# Altium PCB ES_Class6C_2L.PcbDoc (part 1 of 2) (continued)
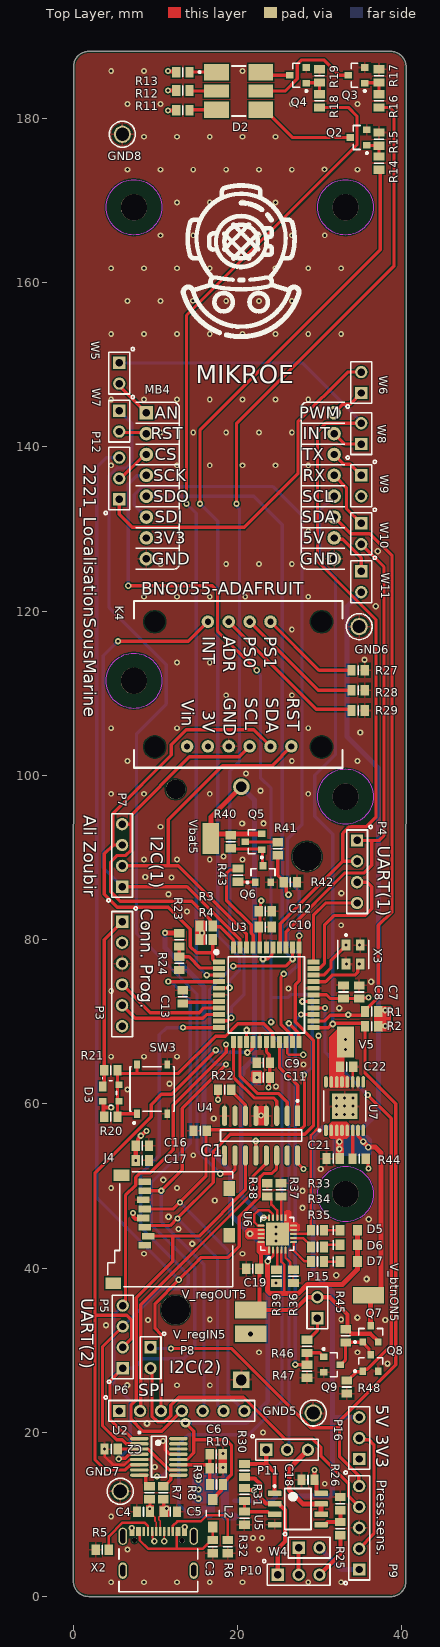
[diagram p0: Top Layer view]
## Footprints (in the part's own frame and the unit in brackets; to place one, negate y for a bottom-side part, rotate by r counter-clockwise, add the part's x,y. Pads: shape width x height; smd on the part's side, far side on the other; paste and mask are expansions set on the pad) (continued)
  silkscreen extent -3.07,-2.55 1.85,3.17, body extent -3.19,-2.55 3.19,2.55, height 1.1
uSD-WE-693071010811 [mm] "Micro SD Card Connector Push & Push - with Card Detection - 8 Pins"
  rect 0.8x1.5 smd: 1(1.94,-3.1) 2(0.84,-2.7) 3(-0.26,-3.1) 4(-1.36,-3.3) 5(-2.46,-3.1) 6(-3.56,-3.3) 7(-4.66,-3.1) 8(-5.76,-3.1)
  rect 1.4x1.9 smd: 9(-6.55,-5.95) 9(6.6,-6.95)
  rect 1.8x1.4 smd: 10(-4.95,7.2) 10(0.75,7.2)
  silkscreen extent -7,-7.6 7,7.6, body extent -7,-10.8 7,7.6, height 2
WL-SMCW_0805_150080xx75000 [mm] "SMD Mono-color Chip LED, body 2.0x1.25mm"
  rect 1.1x1.3 smd: 1(-1.05,0) 2(1.05,0)
  silkscreen extent -2,-0.6 -1.8,0.6, body extent -1,-0.63 1,0.62, height 0.7

## Part data
C1 C2 C7 C8 C9 C10 C11 C12 C13 C16 C17 C18 C23 C24: library part C, PCB Footprint=RC0805, SDTSourceLibName=C:\WINDOWS\TEMP\DA.LIB
C3 C4 C5 C6: library part Cap, "Capacitor", LatestRevisionDate=17-Jul-2002, LatestRevisionNote="Re-released for DXP Platform.", PackageDescription="Radial Cap, Thru-Hole; 2 Leads; 0.3 in Pin Spacing", PackageReference=RAD-0.3, Published=8-Jun-2000, Publisher="Altium Limited"
C14 C15: library part CMP-2007-00302-2, "CAP CER 18PF 50V C0G/NP0 0805", Capacitance="18 pF", Manufacturer=KEMET, Package=C0805C-DN, Temperature="-55°C to +125°C", Temperature Characteristic=C0G, Temperature Coefficient=30ppm/°C, Temperature Range High=+125°C, Temperature Range Low=-55°C, Tolerance=0.05, Voltage Rating="50 V", Automotive=No, Category=Cap, ComponentLink2Description=Datasheet, ComponentLink2URL=https://content.kemet.com/datasheets/KEM_C1003_C0G_SMD.pdf, Device Class L1="Passive Components", Device Class L2=Capacitors, Device Class L3="Ceramic Capacitors", Digikey Description="CAP CER 18PF 50V C0G/NP0 0805", Height=0.88mm, Ipc Land Pattern Name=CAPC200125X78, Lead Free=Yes, Manufacturer Part Number=C0805C180J5GACTU, Material=Ceramic, Mouser Description="Cap Ceramic 18pF 50V C0G 5% SMD 0805 125C Paper T/R", Octopart=https://octopart.com/c0805c180j5gactu-kemet-144810, RoHS=TRUE
C19 C21: library part CMP-08246-002735-1, "Multilayer Ceramic Capacitors 4.7μF ±10% 35V X7R SMD 0805", Capacitance=4.7uF, Case Code (Imperial)=0805, Case Code (Metric)=2012, Dielectric=X7R, Dielectric Material=Ceramic, Max Operating Temperature=125°C, Min Operating Temperature=-55°C, Package Quantity=2000, Tolerance=10%, Voltage Rating=35V, Case/Package=0805, Construction=Flat, Depth=1.25mm, Height=1.25mm, Lead Free="Lead Free", Length=2mm, Mount="Surface Mount", Packaging="Tape and Reel", Radiation Hardening=No, REACH SVHC="No SVHC", RoHS Compliant=Yes, Series=C, Termination=SMD/SMT, Thickness=0.057inch, Voltage Rating (DC)=35V, Weight=0.000194oz, Width=0.049inch
C20: library part CMP-2007-03243-2, "CAP CER 10UF 10V X5R 0805", 3DS Part Number=220-00001, Capacitance=10uF, Manufacturer=Kemet, Manufacturer Part Number=C0805C106K8PACTU, Package=C0805C-DG, Temperature="-55°C to +85°C", Temperature Characteristic=X5R, Temperature Coefficient=15%, Temperature Range High=+85°C, Temperature Range Low=-55°C, Tolerance=10%, Voltage=10V, Automotive=No, Category=Cap, ComponentLink2Description=Datasheet, ComponentLink2URL=https://content.kemet.com/datasheets/KEM_C1006_X5R_SMD.pdf, Device Class L1="Passive Components", Device Class L2=Capacitors, Device Class L3="Ceramic Capacitors", Digikey Description="CAP CER 10UF 10V X5R 0805", Height=1.4mm, Ipc Land Pattern Name=CAPC200125X125, Lead Free=Yes, Material=Ceramic, Mouser Description="CAP CER 10UF 10V X5R 0805", Octopart=https://octopart.com/c0805c106k8pactu-kemet-98697, RoHS=TRUE, Voltage Rating=10V
C22: library part CMP-08246-000118-1, "Cap Ceramic 6.8uF 10V X5R 20% Pad SMD 0805 +85°C Automotive T/R", Capacitance=6.8uF, Case Code (Imperial)=0805, Case Code (Metric)=2012, Dielectric=X5R, Max Operating Temperature=85°C, Min Operating Temperature=-55°C, Package Quantity=2000, Ratings=AEC-Q200, Tolerance=20%, Voltage Rating=10V, Case/Package=0805, Height=1.25mm, Length=0.079inch, Mount="Surface Mount", Packaging="Tape and Reel", Thickness=0.057inch, Voltage Rating (DC)=10V, Weight=0.000194oz, Width=0.049inch
D2: library part CMP-13977-000020-2, "LED RGB DIFFUSED 6PLCC SMD", Case/Package=SMD/SMT, Color=Blue, Forward Current=20mA, Forward Voltage=3.2V, Lens Color=White, Max Operating Temperature=100°C, Min Operating Temperature=-40°C, Package Quantity=900, Reverse Voltage=5V, Depth=5mm, Dominant Wavelength=470nm, Height=2.6mm, Length=6mm, Lens Style=Flat, Lens Transparency=Diffused, Luminous Intensity=420mcd, Mount="Surface Mount", Number of Elements=3, Number of LEDs=3, Number of Pins=6, Packaging="Tape and Reel", RoHS Compliant=Yes, Series=-, Test Current=20mA, Viewing Angle=120°, Width=5mm
D3: library part CMP-1182-00009-1, "Silicon Schottky Diode, -55 to 150 degC, SOT143, Reel, Green", Manufacturer=Infineon, ComponentLink1Description="Manufacturer URL", ComponentLink1URL=http://www.infineon.com/, ComponentLink2Description=Datasheet, ComponentLink2URL=http://www.infineon.com/dgdl/bas40_bas140series.pdf?folderId=db3a30431400ef68011425f1ca2505e3&fileId=db3a304314dca389011518a57ed20e11, ComponentLink3Description="Package Specification", ComponentLink3URL=http://www.infineon.com/dgdl/SOT143-Package_Overview.pdf?folderId=db3a30431936bc4b011952ce8b1b3bed&fileId=db3a30431936bc4b011952df42203c0c, Configuration=Dual, CT (max)="5Â pF", Green=TRUE, IF (max)="120Â mA", Mounting Technology="Surface Mount", PackageDescription="4-Pin Small Outline Transistor Package, 1.3 x 2.9 mm Body", PackageReference=SOT143, Packing=Reel, PartNumber=BAS40-07, VF (max)="1,000Â mV", VR (max)="40Â V"
D5 D6 D7: library part 150080SS75000, "SMT Mono-color Chip LED Waterclear WL-SMCW, size 0805, Super Red, 1.9 V, 140 deg, 60 mcd", Emitting Color="Super Red", Forward Voltage="1.9 V", Operating Temperature="-40 to 85 degC", Supplier Part Number 1=732-4985-1-ND, Chip Technology=AlInGaP, ComponentLink1Description=Manufacturer, ComponentLink1URL=http://www.we-online.de, ComponentLink2Description=Datasheet, ComponentLink2URL=https://katalog.we-online.de/led/datasheet/150080SS75000.pdf, Dominant Wavelength="630 nm", Luminous Intensity="60 mcd", Mounting Technology=SMT, Packaging="Tape and Reel", Part Number=150080SS75000, Peak Wavelength="645 nm", Published Date="November 2018", Publisher="Wurth Elektronik", Size=0805, Supplier 1=Digi-Key, Supplier 2=Distrelec, Supplier Part Number 2=30008875, Viewing Angle="140 deg"
GND5 GND6 GND7 GND8: library part CMP-1672-00003-4, "Test Point, Black, Through Hole, RoHS, Bulk", Colour=Black, Manufacturer=Keystone, Package Quantity=100, ComponentLink1Description="Manufacturer URL", ComponentLink1URL=http://www.keyelco.com/, ComponentLink2Description=Datasheet, ComponentLink2URL=http://www.keyelco.com/product-pdf.cfm?p=1320, Contact Material=Bronze, Contact Plating=Silver, DatasheetVersion="Rev. F, 12/2013", Height="8.12 mm", Mount="Through Hole", Mounting Technology="Through Hole", PackageDescription="1-Pin Through Hole Device, Dia 3.17 mm", PackageReference=5011, Packaging=Bulk, Pins=1, REACH SVHC="No SVHC", RoHSCompliant=true
J4: library part uSD-WE-693071010811, "WR-CRD Micro SD Card Connector Push & Push", Contact Resistance=100mOhm, Manufacturer="Wurth Elektronik", Operating Temperature Max=85°C, Operating Temperature Min=-25°C, Rated Current=0.5A, Withstanding Voltage=500VAC, Working Voltage=100VAC, Category="Input/Output Connectors", ComponentLink1Description="Website Link", ComponentLink1URL=https://www.we-online.com/redexpert/article/693071010811?ad, ComponentLink2Description="Datasheet Link", ComponentLink2URL=https://www.we-online.com/redexpert/spec/693071010811?ad, Gender=Socket, Manufacturer Part Number=693071010811, Match Code=WR-CRD, Mount="Surface Mount", Number of Pins=8, Packaging="Tape and Reel", Type="Push & Push"
J5: library part CMP-19636-000034-1, "BATT HOLDER 18650 1 CELL PC PIN", Max Operating Temperature=145°C, Min Operating Temperature=-50°C, Package Quantity=50, Mount="Through Hole", Number of Cells=1, Packaging=Tray, Series=-, Termination="PC Pin"
L2: library part CMP-0220-00010-1, "SMD EMI Suppression Ferrite Bead WE-CBF, Z = 600 Ohm", ComponentLink1Description="Manufacturer Link", ComponentLink1URL=http://www.we-online.com, ComponentLink2Description=Datasheet, ComponentLink2URL=http://www.we-online.de/katalog/media/pdf/742792133.pdf, DatasheetVersion="ver 2, Aug-2007", Impedance="600 Ohm", PackageDescription="Chip Inductor, 2-Leads, Body 3.2 x 1.6 mm", PackageReference=SMD-1206, PackageVersion=2007
L5: library part CMP-06042-003985-1, "Shielded Wirewound Inductor 4.7uH 20% 1300mA 0.24Ω 1008 (2520)", Case Code (Imperial)=1008, Case Code (Metric)=2520, Current Rating=1.5A, DC Resistance (DCR)=240mR, Inductance=4.7uH, Max Operating Temperature=85°C, Min Operating Temperature=-40°C, Resistor Type=Wirewound, Test Frequency=1MHz, Tolerance=20%, Case/Package=1008, Core Material=Ferrite, Height - Seated (Max)=0.047inch, Length=0.098inch, Mount="Surface Mount", Packaging="Tape and Reel", Shielding=Shielded, Width=0.079inch
MB4: library part "mikroBUS compatible add-on board", "mikroBUS compatible add-on board"
P3: "Header, 6-Pin", LatestRevisionDate=17-Jul-2002, LatestRevisionNote="Re-released for DXP Platform.", Publisher="Altium Limited"
P4 P5 P7: "Header, 4-Pin", LatestRevisionDate=17-Jul-2002, LatestRevisionNote="Re-released for DXP Platform.", Publisher="Altium Limited"
P6: "Header, 7-Pin", LatestRevisionDate=17-Jul-2002, LatestRevisionNote="Re-released for DXP Platform.", Publisher="Altium Limited"
P8 P15: "Header, 2-Pin", LatestRevisionDate=17-Jul-2002, LatestRevisionNote="Re-released for DXP Platform.", Publisher="Altium Limited"
P9: "Header, 5-Pin", Supplier Part Number 1=1862-PTE7300-14DN-0B016BN-ND, LatestRevisionDate=17-Jul-2002, LatestRevisionNote="Re-released for DXP Platform.", Publisher="Altium Limited", Supplier 1=Digi-Key
P10 P11 P12 P16: "Header, 3-Pin", LatestRevisionDate=17-Jul-2002, LatestRevisionNote="Re-released for DXP Platform.", Publisher="Altium Limited"
Q2 Q3 Q4 Q6 Q8 Q9: library part CMP-1058-00767-1, "Power MOSFET, 200 mA, 50 V, N-Channel, 3-Pin SOT-23, Pb-Free, Tape and Reel", Manufacturer="On Semiconductor", Package Type=SOT-23-3, Channel Polarity="N Channel", Ciss Typ (pF)=40, ComponentLink1Description="Manufacturer URL", ComponentLink1URL=http://www.onsemi.com/, ComponentLink2Description=Datasheet, ComponentLink2URL=http://www.onsemi.com/pub_link/Collateral/BSS138LT1-D.PDF, ComponentLink3Description="Package Specification", ComponentLink3URL=http://www.onsemi.cn/pub_link/Collateral/318-08.PDF, Configuration=Single, Coss Typ (pF)=12, Crss Typ (pF)=3.5, DatasheetVersion="Rev. 8", ID Max (A)=0.2, Mounting Technology="Surface Mount", PackageDescription="3-Pin Small Outline Transistor, Body 2.92 x 1.3 mm, Pitch 0.95 mm", PackageReference=SOT-23-3-318-08, PackageVersion="Rev. AP, 11/2009", Packing="Tape and Reel", PartNumber=BSS138LT1G, PD Max (W)=0.225, RoHS=Pb-Free, V(BR)DSS Min (V)=50, VGS Max (V)=20, VGS(th) Max (V)=1.5
Q5 Q7: library part CMP-1058-00745-1, "Power MOSFET, -20 V, -1 A, P-Channel, 3-Pin SOT-23, Pb-Free, Tape and Reel", Manufacturer="On Semiconductor", Package Type=SOT-23-3, Channel Polarity="P Channel", Ciss Typ (pF)=165, ComponentLink1Description="Manufacturer URL", ComponentLink1URL=http://www.onsemi.com/, ComponentLink2Description=Datasheet, ComponentLink2URL=http://www.onsemi.cn/pub_link/Collateral/NTR1P02T1-D.PDF, ComponentLink3Description="Package Specification", ComponentLink3URL=http://www.onsemi.cn/pub_link/Collateral/318-08.PDF, Configuration=Single, Coss Typ (pF)=110, Crss Typ (pF)=35, DatasheetVersion="Rev. 7", ID Max (A)=1, Mounting Technology="Surface Mount", PackageDescription="3-Pin Small Outline Transistor, Body 2.92 x 1.3 mm, Pitch 0.95 mm", PackageReference=SOT-23-3-318-08, PackageVersion="Rev. AP, 11/2009", Packing="Tape and Reel", PartNumber=NVR1P02T1G, PD Max (W)=0.4, Qrr Typ (nC)=8, RoHS=Pb-Free, V(BR)DSS Min (V)=20, VGS Max (V)=20, VGS(th) Max (V)=2.3
R1 R2 R3 R4 R5 R6 R7 R8 R9 R10 R11 R12 R13 R14 R15 R16 R17 R18 R19 R20 R21 R22 R25 R26 R27 R28 R29 R30 R31 R32 R50: library part Res2, "Res 0805", LatestRevisionDate=17-Jul-2002, LatestRevisionNote="Re-released for DXP Platform.", PackageDescription="Axial Device, Thru-Hole; 2 Leads; 0.4 in Pin Spacing", PackageReference=AXIAL-0.4, Published=8-Jun-2000, Publisher="Altium Limited"
R23 R24 R36 R39 R46 R48 R49: library part CMP-2001-04376-1, "Res 0805", Manufacturer=Panasonic, Part Number=ERJ-6ENF1002V
R33 R34 R35 R43: library part CMP-2001-00528-1, "Res 0805", Manufacturer=Panasonic, Part Number=ERJ6ENF2703V
R37: library part CMP-2001-04031-1, "Res 0805", Manufacturer="Vishay Dale", Part Number=CRCW08055K60JNEA
R38: library part CMP-1013-00510-2, "Res 0805", Manufacturer="Vishay Dale", Part Number=CRCW08051K00FKEA
R40 R41 R42 R47: library part CMP-2001-00410-1, "Res 0805", Manufacturer=Panasonic, Part Number=ERJ-6GEYJ393V
R44: library part CMP-2001-00479-1, "Res 0805", Manufacturer=Panasonic, Part Number=ERJ-P06J104V
R45: library part CMP-2001-00562-1, "Res 0805", Manufacturer=Panasonic, Part Number=ERJ6ENF6201V
SW3: library part CMP-10040-000013-1, "TACT 5.2 X 5.2, 1.5 MM H, 260GF,", Contact Current Rating=50mA, Contact Resistance=100mΩ, Manufacturer=C&K, Operating Force=250gf, Temperature="-20°C to +70°C", Temperature Range High=+70°C, Temperature Range Low=-20°C, Voltage Rating Dc=12V, Automotive=No, Category=Switch, ComponentLink2Description=Datasheet, ComponentLink2URL=https://www.ckswitches.com/media/2780/pts526.pdf, Device Class L1=Electromechanical, Device Class L2=Switches, Device Class L3="Tactile Switches", Digikey Description="TACT 5.2 X 5.2, 1.5 MM H, 260GF,", Electromechanical Life=200000Cycles, Height=1.65mm, Lead Free=Yes, Manufacturer Part Number=PTS526SK15SMTR2LFS, Octopart=https://octopart.com/pts526+sk15+smtr2+lfs-c%26k+components-100617999, Package=PTS526SK15SMTR2LFS, RoHS=TRUE, Standoff Height=0mm, Throw Configuration=SPST-NO
U2: library part CMP-0248-00025-2, "USB to Basic UART Interface Chip, UHCI/OHCI/EHCI Compatible, USB 2.0 Compatible, -40 to +85 degC, 16-Pin SSOP, Pb-Free, Tube", Manufacturer=FTDI, Code_JEDEC=MO-137-AB, ComponentLink1Description="Manufacturer URL", ComponentLink1URL=http://www.ftdichip.com/, ComponentLink2Description=Datasheet, ComponentLink2URL=http://www.ftdichip.com/Support/Documents/DataSheets/ICs/DS_FT230X.pdf, ComponentLink3Description="FT230X Product Page", ComponentLink3URL=www.ftdichip.com/Products/ICs/FT230X.html, DatasheetVersion="ver 1.2, Feb-2013", PackageDescription="16-Pin Small Outline Package, 8.6 x 3.9 mm Body, 0.635 mm Pitch", PackageReference=SSOP-16, PackageVersion=Feb-13, PartNumber=FT230XS-U, RevisionNote="DatasheetVersion updated to 1.2 Feb-2013"
U3: "Microchip PIC32MX130F256D-I/PT, 32bit PIC Microcontroller, 40MHz, 256 kB Flash, 44-Pin TQFP", Manufacturer_Name=Microchip, Manufacturer_Part_Number=PIC32MX130F256D-I/PT, Mouser Part Number=579-MX130F256DIPT, Datasheet Link=https://componentsearchengine.com/Datasheets/5/PIC32MX130F256D-I_PT.pdf, Geometry.Height=1.2mm, Mouser Price/Stock=https://www.mouser.co.uk/ProductDetail/Microchip-Technology/PIC32MX130F256D-I-PT?qs=XR%2FfMt4sL%252BEhDQElh0Q%2FjQ%3D%3D
U4: library part CMP-1633-00238-3, "IC 3-8 LINE DECOD/DEMUX 16-SOIC", Case/Package=SOIC, High Level Output Current=-5.2mA, Low Level Output Current=5.2mA, Max Frequency=28MHz, Max Operating Temperature=85°C, Max Power Dissipation=320mW, Max Supply Current=8uA, Max Supply Voltage=6V, Min Operating Temperature=-40°C, Min Supply Voltage=2V, Operating Supply Voltage=5V, Package Quantity=2500, Bandwidth=28MHz, Contact Plating=Gold, Height=1.58mm, Independent Circuits=1, Lead Free="Lead Free", Length=9.9mm, Logic Function=Demultiplexer, Mount="Surface Mount", Number of Bits=8, Number of Channels=1, Number of Circuits=1, Number of Elements=1, Number of Input Lines=3, Number of Inputs=3, Number of Output Lines=8, Number of Outputs=8, Number of Pins=16, Packaging="Tape and Reel", Polarity=Inverting, Propagation Delay=225ns, Quiescent Current=8uA, Radiation Hardening=No, REACH SVHC="No SVHC", RoHS Compliant=Yes, Supply Type=Single, Turn-On Delay Time=225ns, Weight=0.004998oz, Width=3.91mm
U5: library part CMP-0272-00236-3, "MicroPower, Rail-to-Rail Output, Dual, General Purpose Operational Amplifier, 2.7 to 36 V, -40 to 125 degC, 8-pin SOIC (D8), Green (RoHS & no Sb/Br)", Manufacturer="Texas Instruments", Rating=Catalog, Total Supply Voltage(Max)(+5V is 5, +/-5V is 10)=36, Total Supply Voltage(Min)(+5V is 5, +/-5V is 10)=2.7, CMRR(Min)(dB)=104, Code_JEDEC=MS-012, ComponentLink1Description="Manufacturer URL", ComponentLink1URL=http://www.ti.com/, ComponentLink2Description=Datasheet, ComponentLink2URL=http://www.ti.com/lit/ds/symlink/opa2170.pdf, ComponentLink3Description="Package Specification", ComponentLink3URL=http://www.ti.com/litv/pdf/msoi002j, DatasheetVersion=SBOS557B, Eco-Plan="Green (RoHS & no Sb/Br)", GBW(Typ)(MHz)=1.2, IIB(Max)(pA)=15, Iq per channel(Max)(mA)=0.145, Mounting Technology="Surface Mount", Number of Channels=2, Offset Drift(Typ)(uV/C)=0.3, PackageDescription="8-Pin Plastic Small Outline, Body 4.9 x 3.9 mm, Pitch 1.27 mm", PackageReference=D0008A, PackageVersion="4040047-3/M, 06/2011", Packing="LARGE T&R", PartNumber=OPA2170AIDR, Slew Rate(Typ)(V/us)=0.4, Sub Family="High Supply Voltage Amplifier (>=30V), Low Power Amp (<=500uA), Low Supply Voltage Amplifier (<=2.7V), Precision Amplifier", Vio (25C)(Max)(mV)=1.8
U6: "Charger IC Lithium Ion/Polymer 20-QFN _4x4_", Package="QFN-20 Microchip", Digi-Key_Part_Number=MCP73871T-2CCI/MLCT-ND, Digi-Key_Purchase_URL=https://www.digikey.com/product-detail/en/microchip-technology/MCP73871T-2CCI-ML/MCP73871T-2CCI-MLCT-ND/7065594?utm_source=snapeda&utm_medium=aggregator&utm_campaign=symbol, MF=Microchip, MP=MCP73871T-2CCI/ML, SnapEDA_Link=https://www.snapeda.com/parts/MCP73871T-2CCI/ML/Microchip/view-part/1049920/?ref=snap
U8: "Switching Voltage Regulators PFM Control Snchrns StepUpDCDC Converter", Manufacturer_Name=Torex, Mouser Part Number=865-XC9140A501MR-G, Geometry.Height=1.3mm, Manufacturer_Part_Number=XC9140A501MR-G, Mouser Price/Stock=https://www.mouser.co.uk/ProductDetail/Torex-Semiconductor/XC9140A501MR-G?qs=AsjdqWjXhJ8xw9tvUM0FMA%3D%3D
V5 V_btnON5 V_regIN5 V_regOUT5 Vbat5: library part CMP-1672-00008-1, "Test Point, 1 Position SMD, RoHS, Tape and Reel", Package Quantity=1000, ComponentLink1Description="Manufacturer URL", ComponentLink1URL=http://www.keyelco.com/, ComponentLink2Description=Datasheet, ComponentLink2URL=http://www.keyelco.com/product-pdf.cfm?p=1357, Contact Plating=Silver, DatasheetVersion=03/2014, Mount="Surface Mount", Mounting Technology="Surface Mount", PackageDescription="1-Pin Surface Mount Device, Body 3.81 x 2.03 mm", PackageReference=5019, Packaging="Tape and Reel", Pins=1, RoHSCompliant=True
W4 W5 W6 W7 W8 W9 W10 W11: "Jumper Wire", LatestRevisionDate=17-Jul-2002, LatestRevisionNote="Re-released for DXP Platform.", PackageDescription="Radial Cap, Thru-Hole; 2 Leads; 0.2 in Pin Spacing", PackageReference=RAD-0.2, Published=24-Mar-1999, Publisher="Altium Limited"
X2: library part "USB-C Type 2.0", "USB4105-GF-A USB connector", Supplier Part Number 1=C319148, ComponentLink1Description="LCSC  C319148", ComponentLink1URL=https://lcsc.com/product-detail/USB-Connectors_XKB-Connectivity-U262-161N-4BVC11_C319148.html, Supplier 1=LCSC
X3: library part CMP-27762-011708-1, "Crystal 48MHz ±20ppm 18pF SMD-4 3.2mm x 2.5mm", Case/Package=CSMD, ESR (Equivalent Series Resistance)=35R, Frequency=48MHz, Frequency Stability=50ppm, Frequency Tolerance=20ppm, Load Capacitance=18pF, Max Operating Temperature=70°C, Min Operating Temperature=-20°C, Operating Frequency="48 MHz", Package Quantity=1000, Resistor Type=Ceramic, Depth=2.5mm, Height=0.031inch, Lead Free="Lead Free", Length=3.2mm, Mount="Surface Mount", Number of Pins=4, Packaging="Tape and Reel", Radiation Hardening=No, REACH SVHC="No SVHC", RoHS Compliant=Yes, Series=ABM8, Series Resistance=35R, Termination=SMD/SMT, Tolerance=20ppm, Width=0.098inch

## Free pads (board coordinates)
  round 3.2 hole 3.2 paste-1000 mask+0: M3(7.375,111.506) M3(7.375,169.164) M3(33.135,49.022) M3(33.135,97.409) M3(33.135,169.164)

## Via types
v1: diameter 0.7, hole 0.35, Top Layer to Bottom Layer, 130 vias
v2: diameter 0.75, hole 0.35, Top Layer to Bottom Layer, 99 vias
v3: diameter 0.8, hole 0.4, Top Layer to Bottom Layer, 49 vias
v4: diameter 1.2, hole 0.6, Top Layer to Bottom Layer, 2 vias

## Nets (pads, with @x,y where several pads share a name; then routed paths per layer and width w, separated by ;. In a path a pad name is that pad's centre, name@x,y a point inside that pad or via, vN(x,y) a via of type N, cw(c..) or ccw(c..) an arc to the next point about the centre after c; other vN are vias at no path point)
+3V3: C7.1 C8.1 C9.1 C10.1 C11.1 C12.1 C16.1 C17.1 C18.1 C22.1 C23.1 D3.2 J4.4 K4.2 L5.1 MB4.7 P3.2 P16.1 R1.2 R2.2 R3.2 R4.2 R11.2 R12.2 R13.2 R20.1 R22.2 R31.2 R44.1 R49.2 U3.17 U3.28 U3.40 U4.16 U5.8 U7.12 U7.13 U7.14 U7.15 U8.3 V5.1 | length 50.9
  Top Layer w0.381: v2(17.615,60.509) R22.2@17.615,61.722 ; U3.40@22.695,79.017 22.695,81.407 C10.1@22.568,81.534 22.725,81.691 22.725,83.282 C12.1@22.568,83.439 22.805,83.676 22.805,84.654 v2(22.876,84.725) ; U3.17@23.495,67.541 23.495,66.354 23.856,65.993 23.856,65.078 C9.1@23.939,64.995 23.907,64.963 23.907,63.217 23.849,63.159 23.849,62.067 v2(23.779,61.996) ; U4.16@27.305,53.718 27.305,52.776 28.002,52.079 v2(28.002,52.063) ; U3.28@29.233,73.279 30.823,73.279 31.28,72.822 C8.1@32.893,72.822 32.912,72.841 C7.1@34.779,72.841 ; 32.423,65.2 32.423,66.829 V5.1@33.135,67.541 33.135,67.852 v2(33.142,67.859) ; C7.1@34.781,72.806 34.868,72.893 35.883,72.893 v2(35.952,72.962) ; R44.1@35.6,53.3 35.858,53.042 35.858,52.183 v2(35.928,52.113)
  Top Layer w0.5: D3.2@3.556,60.325 3.664,60.217 3.664,59.569 ; R20.1@3.772,58.42 3.664,58.528 3.664,59.569 ; v2(4.605,59.569) 3.664,59.569 ; v2(7.255,46.699) 7.303,46.651 7.303,46.207 7.548,45.962 8.37,45.962 J4.4@8.509,46.101 ; v2(7.603,53.112) C16.1@7.603,54.89 7.853,55.14 7.853,55.695 8.214,56.056 v2(8.214,56.113) 8.262,56.113 8.839,56.691 v2(8.887,56.691) ; v2(11.525,180.95) 11.538,180.962 12.522,180.962 R11.2@12.535,180.975 ; v2(11.525,183.388) R12.2@12.535,183.388 ; v2(11.525,185.746) 11.573,185.698 12.461,185.698 R13.2@12.535,185.624 ; R31.2@20.828,13.246 21.076,12.998 21.927,12.998 v2(21.975,12.95) ; v2(29.375,15.43) C18.1@29.375,14.224 29.586,14.013 29.586,12.648 29.661,12.573 U5.8@30.161,12.573
  Layer 1 w0.5: v2(7.255,46.699) 7.255,52.696 7.603,53.044 v2(7.603,53.112)
  Bottom Layer w0.5: v2(10.202,14.633) 10.25,14.681 10.989,14.681 10.989,14.8 R49.2@11.239,15.05
  other v2: 15.225,11.925 15.225,13.029 15.225,14.224 33.142,66.604 37.976,69.469 37.976,71.4 15.682,80.825
+5V: P16.3 R50.1 W11.2 | length 127.9
  Bottom Layer w0.6: R50.1@26.251,12.25 31.25,12.25 31.575,12.575 31.575,21.773 ; P16.3@34.798,21.844 31.646,21.844 31.575,21.773 ; W11.2@35.052,122.301 33.297,120.546 33.297,104.736 37.15,100.883 37.15,59 35.25,57.1 30.327,57.1 29.165,55.938 29.165,39.512 31.575,37.102 31.575,21.773
AnPress: P11.2 U3.22 | length 54.8
  Top Layer w0.4: v3(26.251,69.797) 27.458,68.59 27.458,67.578 U3.22@27.495,67.541
  Bottom Layer w0.4: P11.2@26.025,17.875 26.235,18.085 26.235,18.644 26.251,18.659 v3(26.251,69.797)
BatLvl: R41.1 R42.2 U3.21 | length 25.7
  Top Layer w0.4: R41.1@24.892,90.259 24.892,87.862 25.629,87.125 R42.2@25.629,86.975 25.929,86.675 25.929,85.825 26.194,85.56 v3(26.194,85.451) ; v3(25.629,75.823) 25.629,75.745 25.273,75.389 25.273,69.702 26.595,68.38 26.595,67.641 U3.21@26.695,67.541
  Bottom Layer w0.4: v3(25.629,75.823) 26.248,75.823 27.446,77.021 27.446,78.187 26.125,79.508 26.125,85.1 26.194,85.169 v3(26.194,85.451)
BatRead: R43.1 U3.41 | length 12.1
  Top Layer w0.4: R43.1@20.041,88.648 19.868,88.475 19.025,88.475 18.641,88.091 18.641,84.795 21.646,81.791 21.646,80.794 21.895,80.545 U3.41@21.895,79.017
BatStat: R33.1 U3.20 U6.8 | length 33.2
  Top Layer w0.3: U3.20@25.895,67.541 26.045,67.391 26.045,66.169 26.221,65.993 v3(28.002,65.993) ; U6.8@26.53,44.165 U6.8@26.799,44.165 28.568,44.165 28.918,44.515 R33.1@28.918,44.61 28.918,56.183 29.836,57.101 v2(29.836,68.296)
  Layer 2 w0.3: v3(28.002,65.993) 29.75,67.741 29.75,68.21 v2(29.836,68.296)
ButtonMF: Q9.1 R46.1 R47.2 U3.25 | length 49.7
  Top Layer w0.4: v3(27.002,28.255) 27.006,28.252 27.998,28.252 R47.2@28.061,28.314 ; v2(27.728,70.879) U3.25@29.233,70.879 ; R47.2@28.298,28.248 R47.2@28.448,28.248 ; R46.1@28.298,29.68 29.996,29.68 30.23,29.446 30.23,29.405 30.43,29.205 Q9.1@30.48,29.205 ; R47.2@28.448,28.066 R47.2@28.448,28.248 ; R46.1@28.448,29.68 R47.2@28.448,28.248
  Bottom Layer w0.4: v3(27.002,28.255) 27.002,70.162 27.72,70.879 v2(27.728,70.879)
CS_SD: J4.2 P6.4 U4.11 | length 50.5
  Top Layer w0.4: J4.2@9.109,43.901 12.077,43.901 ; P6.4@13.208,22.606 10.752,20.15 8.475,20.15 7.027,21.598 7.027,23.339 7.663,23.975 7.663,36.388 12.099,40.824 12.099,43.901 15.315,43.901 20.955,49.541 U4.11@20.955,53.718
CSM1: P6.3 P12.3 U4.14 | length 146.4
  Top Layer w0.4: P6.3@10.668,22.606 10.668,31.937 9.948,32.657 9.948,35.673 v3(12.85,38.575) 14.63,40.355 15.575,41.3 18.832,41.3 20.2,42.668 20.2,46.254 22.621,48.675 22.621,50.975 23.165,51.519 24.178,51.519 24.722,52.063 24.722,53.675 U4.14@24.765,53.718
  Bottom Layer w0.4: P12.3@5.588,138.684 4.018,138.684 2.85,137.516 2.85,48.575 v3(12.85,38.575)
CSM2: P6.2 U4.13 | length 37.5
  Top Layer w0.4: P6.2@8.128,22.606 8.214,22.692 8.214,35.547 21.875,49.208 21.875,51.172 23.495,52.792 U4.13@23.495,53.718
CSM3: P6.1 U4.12 | length 45.4
  Top Layer w0.4: U4.12@22.225,53.718 v3(22.225,55.475)
  Layer 2 w0.381: P6.1@5.588,22.606 5.588,23.863 6.6,24.875 13.147,24.875 18.642,30.37 18.642,49.867 22.239,53.464 22.239,55.461 v3(22.225,55.475)
D_N: C5.2 R8.1 X2.A7 X2.B7 | length 15.7
  Top Layer w0.2: X2.B7@9.59,7.93 9.64,7.88 9.64,7.132 9.873,6.899 v3(9.873,6.737) ; X2.A7@10.59,7.93 10.565,7.955 10.565,9.208 10.398,9.375 10.398,9.658 10.515,9.775 10.611,9.775 11.011,10.175 C5.2@11.011,10.325
  Top Layer w0.381: R8.1@10.933,11.849 11.011,11.771 C5.2@11.011,10.414 ; C5.2@11.011,10.325 C5.2@11.011,10.414 ; v2(11.333,10.736) C5.2@11.011,10.414
  Layer 1 w0.2: v3(9.873,6.737) 9.873,6.774 10.253,7.154 10.253,7.859 8.17,9.942 8.17,11.174 8.829,11.833 9.897,11.833 10.539,11.191 10.539,10.839 10.656,10.722 11.319,10.722 v2(11.333,10.736)